# KiCad board analog_i.kicad_pcb (continued)
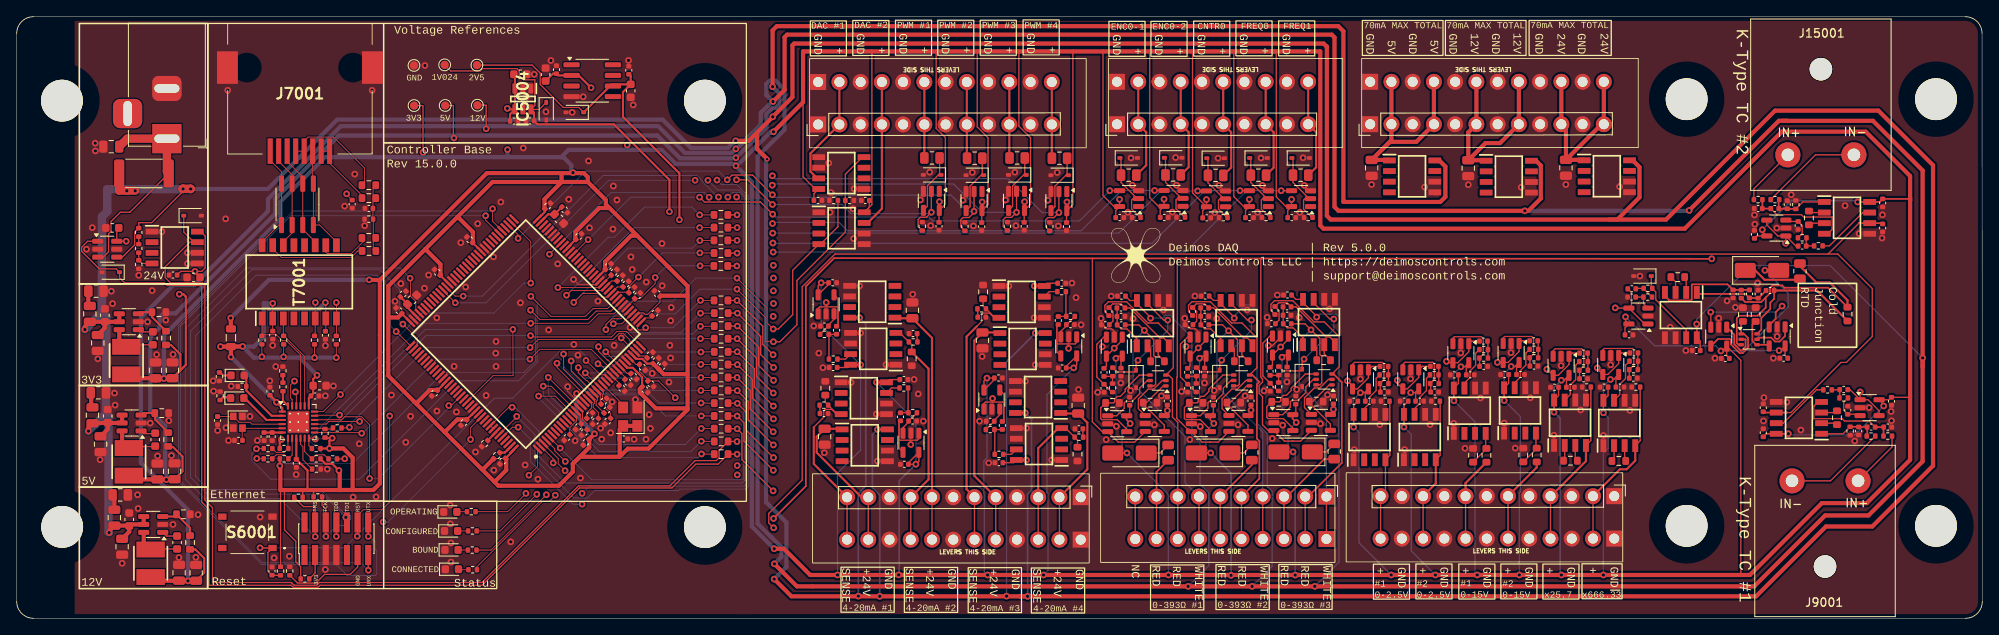
[diagram p0: board, top side]
## Routing (per net, layer and track width the routed paths; a pad name or vN(x,y) marks a point on that pad's centre or on a via; arc(x,y) is an arc through that point) (continued)
/analog_frontend/AIN14_DAC1: length 49.6
  Top w0.1: v1(90.46,34.62) 89.73,35.35 89.73,37.11 v1(86.13,40.71) ; 70.46,34.53 v1(70.45,34.54) 70.46,35.15 71.15,35.84 72.26,35.84 IC6001.41
  Top w0.15: v1(90.46,34.62) 91.07,34.62 92.79,36.33 92.79,41.64 95.92,44.77 96.12,44.77 98.21,46.86 R54001.1
  Bottom w0.1: v1(86.13,40.71) 81.22,40.71 78.46,37.95 73.26,37.95 70.45,35.14 v1(70.45,34.54)
/analog_frontend/AIN15: length 104
  Top w0.15: v1(86.12,42.16) 86.12,42.16 R6016.1 ; U45001.1 168.08,30.15 C45002.2 ; U45001.1 167.66,28.83 166.29,27.46 U45001.4 165.11,28.11 v1(165.11,28.48) ; U45001.1 167.66,29.36
  In2.Cu w0.15: v1(86.12,42.16) 86.87,42.16 87.4,41.63 87.4,40.28 88.57,39.12 88.57,38.07 89.33,37.31 89.33,37.26 v1(90.46,36.13) 90.54,36.21 93.63,36.21 93.63,40.55 94.34,41.26 158.2,41.26 165.11,34.35 v1(165.11,28.48)
/analog_frontend/AIN16: length 103
  Top w0.15: R6017.1 v1(86.15,43.7) ; C43002.2 173.96,33.17 U43001.1 173.65,31.9 172.33,30.58 U43001.4 171.14,30.58 v1(170.97,30.75)
  In2.Cu w0.15: v1(86.15,43.7) 86.45,43.7 88.09,42.06 88.09,40.59 89.23,39.45 89.23,38.93 v1(90.49,37.67) 93.21,37.67 93.22,37.68 93.22,40.5 94.24,41.52 160.2,41.52 v1(170.97,30.75)
/analog_frontend/AIN17: length 107.5
  Top w0.15: v1(86.14,45.22) 86.14,45.22 R6018.1 ; 180.93,33.2 179.97,33.2 U41001.1 179.66,31.93 178.34,30.61 U41001.4 177.08,30.61 v1(177.07,30.62)
  In2.Cu w0.15: v1(86.14,45.22) 88.67,42.69 88.67,41 v1(90.48,39.19) 92.87,39.19 92.89,39.2 92.89,40.52 94.22,41.85 165.84,41.85 v1(177.07,30.62)
/analog_frontend/AIN18: length 113
  Top w0.15: R6019.1 v1(86.15,46.75) ; C39002.2 186.02,31.73 U39001.1 185.63,30.37 184.33,29.07 183.73,29.07 182.99,29.82 182.99,29.83
  In2.Cu w0.15: v1(182.99,29.81) 170.7,42.1 94.12,42.1 92.74,40.72 v1(90.49,40.72) 89.26,41.95 89.26,42.88 87.48,44.65 87.48,45.44 86.17,46.75 v1(86.15,46.75)
/analog_frontend/AIN19: length 118.6
  Top w0.15: v1(189.01,29.96) 189.01,29.84 U37001.4 190.26,29.17 191.57,30.48 U37001.1 191.88,31.75 C37002.2 ; R6020.1 v1(86.14,48.27)
  In2.Cu w0.15: v1(189.01,29.96) 176.62,42.35 90.59,42.35 v1(90.48,42.24) 90.48,42.59 87.99,45.08 87.99,46.43 v1(86.14,48.27)
/analog_frontend/COUNTER0: length 104.2
  Top w0.1: v1(53.39,38.55) 52.43,38.55 IC6001.96
  Top w0.15: U50001.4 v1(141.23,51.14)
  In2.Cu w0.15: v1(90.4,46.09) 89.65,46.09 89.3,46.44 89.3,48.35 86.42,51.23 84.75,51.23 v1(83.92,50.41)
  Bottom w0.1: v1(83.92,50.41) 83.84,50.41 82.08,52.17 82.08,52.24 81.33,52.99 70.12,52.99 55.68,38.55 v1(53.39,38.55)
  Bottom w0.15: v1(141.23,51.14) 136.84,51.14 131.78,46.09 v1(90.4,46.09)
/analog_frontend/dac_buf1/VOUT: length 18
  Top w0.25: IC54001.7 101.76,47.31 103.46,49.01 J3006.4 J3006.4
/analog_frontend/dac_buf/VOUT: length 13.5
  Top w0.25: IC53001.7 95.74,52.64 94.91,53.46 94.91,55.63 J3006.2 J3006.2
/analog_frontend/ENCODER0_0: length 70.9
  Top w0.1: IC6001.60 66.55,43.54 v1(68.32,45.31)
  Top w0.15: v1(81.66,50.39) 82.24,49.81 88.94,49.81 v1(90.4,48.35) ; 130.72,51.17 v1(130.71,51.17) U48001.4
  Bottom w0.1: 68.34,45.3 68.32,45.28 v1(68.32,45.31) 68.35,45.31 73.43,50.39 v1(81.66,50.39)
  Bottom w0.15: v1(90.4,48.35) 90.75,48 109.09,48 109.55,47.55 127.1,47.55 v1(130.71,51.17)
/analog_frontend/ENCODER0_1: length 83.7
  Top w0.1: IC6001.64 65.11,44.95 63.71,43.56 v1(63.7,43.56) 63.7,43.55 63.73,43.58
  Top w0.15: U49001.4 v1(136.07,51.19)
  In2.Cu w0.15: v1(82.8,50.38) 83.9,51.48 86.52,51.48 89.55,48.45 89.55,48.07 v1(90.38,47.24)
  Bottom w0.1: v1(82.8,50.38) 82.25,50.94 71.08,50.94 v1(63.7,43.56)
  Bottom w0.15: v1(90.38,47.24) 90.51,47.36 98.37,47.36 99.37,46.37 127.29,46.37 132.11,51.19 v1(136.07,51.19)
/analog_frontend/FREQ0: length 143
  Top w0.1: v1(59.24,25.25) 58.84,25.25 IC6001.136 IC6001.137
  Top w0.15: U51001.4 v1(146.28,51.17)
  In2.Cu w0.15: v1(85.04,50.41) 85.61,50.98 86.32,50.98 89.05,48.25 89.05,45.87 90.02,44.9 v1(90.43,44.9)
  Bottom w0.1: 59.26,25.23 v1(59.24,25.25) 59.58,25.23 62.47,22.34 62.47,19.33 65.61,16.19 86.74,16.19 87.09,16.54 87.09,50.31 86.44,50.96 85.59,50.96 v1(85.04,50.41)
  Bottom w0.15: v1(90.43,44.9) 90.48,44.85 135.75,44.85 142.07,51.17 v1(146.28,51.17)
/analog_frontend/FREQ1: length 132.9
  Top w0.1: v1(64.99,20.37) 63.73,21.64 IC6001.5
  Top w0.15: U52001.4 v1(151.21,51.17)
  In2.Cu w0.15: v1(86.08,50.41) 88.8,47.69 88.8,45.48 v1(90.46,43.82)
  Bottom w0.1: v1(86.08,50.41) 86.89,49.59 86.89,16.63 86.85,16.58 68.78,16.58 v1(64.99,20.37)
  Bottom w0.15: v1(151.21,51.17) 147.1,51.17 139.75,43.82 v1(90.46,43.82)
/analog_frontend/K-Type TC Amp1/Signal+: length 12.5
  Top w0.15: C15002.1 210.49,48.3 213.42,48.3 213.7,48.01 217.1,48.01 217.1,46.54 216.58,46.01 IC15001.4
  Top w0.2: R15001.2 208.76,49.05 C15001.1 C15002.1
/analog_frontend/K-Type TC Amp1/Signal-: length 6.8
  Top w0.15: IC15001.1 213.59,49.82 R15003.1
  Top w0.2: 210.66,49.09 210.7,49.13 210.7,50.09 ; C15002.2 210.73,49.01 C15003.1 211.75,48.98 R15003.1
/analog_frontend/K-Type TC Amp/Signal+: length 12.5
  Top w0.15: IC9001.4 215.42,25.89 214.9,25.36 214.9,23.89 218.3,23.89 218.59,23.6 221.52,23.6 C9002.1
  Top w0.2: C9002.1 C9001.1 223.24,22.85 R9001.2
/analog_frontend/K-Type TC Amp/Signal-: length 6.8
  Top w0.15: IC9001.1 218.41,22.08 R9003.1
  Top w0.2: 221.34,22.81 221.3,22.77 221.3,21.81 ; C9002.2 221.27,22.89 C9003.1 220.25,22.92 R9003.1
/analog_frontend/PWM0: length 73.4
  Top w0.1: IC6001.97 50.98,39.21 v1(52.44,37.75)
  Top w0.15: v1(90.37,49.52) 87.42,52.46 v1(86.07,52.46) ; U55001.2 v1(109.38,48.58) 108.77,47.98 108.06,47.98 107.79,47.71 107.79,46.89 R55001.1
  In2.Cu w0.1: v1(86.07,52.46) 85.47,51.86 81.68,51.86 v1(81.13,52.41)
  Bottom w0.1: 52.47,37.73 52.44,37.7 v1(52.44,37.75) 56.13,37.75 70.8,52.41 v1(81.13,52.41)
  Bottom w0.15: v1(109.38,48.58) 109.23,48.43 99.77,48.43 98.68,49.52 v1(90.37,49.52)
/analog_frontend/PWM1: length 68.7
  Top w0.1: IC6001.75 59.95,45.88 v1(59.95,45.46)
  Top w0.15: U56001.2 v1(114.48,48.7) 114.48,48.55 113.88,47.95 113.17,47.95 112.9,47.67 112.9,46.86 R56001.1 ; v1(90.36,50.68) 88,53.04 85.54,53.04 v1(84.96,52.46)
  Bottom w0.1: 59.96,45.45 59.95,45.44 v1(59.95,45.46) 59.97,45.46 68.02,53.51 83.92,53.51 v1(84.96,52.46)
  Bottom w0.15: v1(114.48,48.7) 113.67,48.7 111.74,50.63 98.07,50.63 97.8,50.36 90.68,50.36 v1(90.36,50.68)
/analog_frontend/PWM2: length 120.4
  Top w0.1: IC6001.139 57.7,22 59.79,24.09 v1(59.79,24.16)
  Top w0.15: R57001.1 117.98,46.88 117.98,47.7 118.25,47.97 118.96,47.97 v1(119.56,48.58) U57001.2
  In2.Cu w0.15: v1(90.35,51.83) 89.14,53.04 84.34,53.04 v1(83.74,52.44)
  Bottom w0.1: v1(83.74,52.44) 84.27,51.91 86.1,51.91 87.51,50.5 87.51,15.79 87.18,15.46 79.32,15.46 79.14,15.28 69.12,15.28 68.23,14.4 66.64,14.4 61.97,19.06 61.97,21.98 v1(59.79,24.16) 59.8,24.15
  Bottom w0.15: v1(90.35,51.83) 90.5,51.97 112.03,51.97 115.42,48.58 v1(119.56,48.58)
/analog_frontend/PWM3: length 127
  Top w0.1: v1(59.96,22.86) 59.28,22.86 IC6001.140
  Top w0.15: R58001.1 123.04,46.85 123.04,47.67 123.31,47.94 124.02,47.94 v1(124.63,48.55) U58001.2
  In2.Cu w0.1: v1(67.61,13.65) v1(67.61,14.95)
  In2.Cu w0.15: v1(82.65,52.41) 83.53,53.29 90.02,53.29 v1(90.36,52.95)
  Bottom w0.1: v1(67.61,13.65) 66.54,13.65 61.41,18.78 61.41,21.45 60.01,22.85 59.99,22.85 v1(59.96,22.86) 59.97,22.85 59.98,22.85 ; v1(67.61,14.95) 68.48,15.81 87.06,15.81 87.31,16.06 87.31,50.37 86.44,51.25 83.82,51.25 v1(82.65,52.41)
  Bottom w0.15: v1(124.63,48.55) 122.64,48.55 118.58,52.61 90.7,52.61 v1(90.36,52.95)
/analog_frontend/pwm_out_buf1/VOUT: length 9.1
  Top w0.25: R56002.2 113.62,55.08 J3006.8
/analog_frontend/pwm_out_buf2/VOUT: length 9.1
  Top w0.25: J3006.10 J3006.10 118.7,55.1 R57002.2
/analog_frontend/pwm_out_buf3/VOUT: length 9.1
  Top w0.25: R58002.2 123.78,55.06 J3006.12 J3006.12
/analog_frontend/pwm_out_buf/VOUT: length 9.1
  Top w0.25: J3006.6 R55002.2
/analog_frontend/RTD Amp1/R+: length 11
  Top w0.15: J3002.6 J3002.6
  Top w0.2: J3002.6 147.7,18.35 R13003.2
/analog_frontend/RTD Amp1/R-: length 37.8
  Top w0.15: U13001.3 148.31,29.99 148.31,33.54 146.51,35.34 145.28,35.34 142.74,37.88 140.55,37.88 140.13,37.46 140.13,36.71 R13004.2 ; J3002.5 J3002.5
  Top w0.2: J3002.5 148.6,16.71 148.6,21.21 148.3,21.51 148.3,27.98 148.6,28.27 147.77,29.11 U13001.3
/analog_frontend/RTD Amp1/rtd_amp_inner/Signal+: length 12
  Top w0.15: C13001.2 141.1,35.57 141.1,36.7 R13004.1 141.06,37.63 142.05,37.63 C13002.1 143.12,37.15 146.72,33.55 147.15,33.55 147.78,32.92 IC13001.4
/analog_frontend/RTD Amp1/rtd_amp_inner/Signal-: length 5.9
  Top w0.15: C13002.2 141.6,37.12 R13005.1 142.09,34.63 142.79,34.63 143.97,33.45 IC13001.1
/analog_frontend/RTD Amp1/rtd_amp_inner/Vout: length 14.3
  Top w0.15: v1(144.1,30.89) 143.87,30.66 D23001.1 143.65,29.49 141.56,29.49 141.07,29.97 ; IC13001.7 145.24,37.63 147.18,35.69 v1(147.65,35.69)
  Bottom w0.15: v1(147.65,35.69) 147.65,34.44 v1(144.1,30.89)
/analog_frontend/RTD Amp1/W-: length 38.1
  Top w0.15: J3002.4 J3002.4 ; U13001.6 146,27.81 146.2,28.02 146.2,31.22 145.98,31.44 145.98,33.33 v1(144.91,34.4) 144.2,35.12 R13005.2
  Bottom w0.15: J3002.4 149,22.27 143.52,27.75 143.52,33.01 v1(144.91,34.4)
/analog_frontend/RTD Amp2/R+: length 13
  Top w0.15: J3002.3 J3002.3
  Top w0.2: R17003.2 156.37,19.05 151.88,14.57 J3002.3
/analog_frontend/RTD Amp2/R-: length 38.7
  Top w0.15: J3002.2 J3002.2 ; R17004.2 149.99,36.83 149.99,37.58 150.41,38 152.6,38 155.14,35.46 156.37,35.46 158.17,33.67 158.17,30.11 U17001.3
  Top w0.2: U17001.3 157.47,29.23 158.46,28.25 158.46,18.59 154.43,14.57 J3002.2
/analog_frontend/RTD Amp2/rtd_amp_inner/Signal+: length 12
  Top w0.15: C17001.2 150.96,35.69 150.96,36.82 R17004.1 150.92,37.75 151.91,37.75 C17002.1 152.98,37.27 156.57,33.67 157,33.67 157.63,33.04 IC17001.4
/analog_frontend/RTD Amp2/rtd_amp_inner/Signal-: length 5.9
  Top w0.15: C17002.2 151.46,37.24 R17005.1 151.94,34.76 152.64,34.76 153.82,33.57 IC17001.1
/analog_frontend/RTD Amp2/rtd_amp_inner/Vout: length 14.3
  Top w0.15: v1(153.95,31.01) 153.72,30.78 D26001.1 153.51,29.61 151.41,29.61 150.93,30.09 ; 155.09,38.16 155.09,37.75 157.03,35.81 v1(157.51,35.81)
  Bottom w0.15: v1(153.95,31.01) 157.51,34.56 v1(157.51,35.81)
/analog_frontend/RTD Amp2/W-: length 37.3
  Top w0.15: J3002.1 J3002.1 ; U17001.6 155.85,27.93 156.06,28.14 156.06,31.34 155.84,31.56 155.84,33.45 v1(154.78,34.51) 154.05,35.24 R17005.2
  Bottom w0.15: v1(154.78,34.51) 153.38,33.11 153.38,27.88 156.62,24.63 J3002.1
/analog_frontend/RTD Amp/R+: length 10
  Top w0.15: J3002.9 J3002.9
  Top w0.2: R5003.2 136.3,17.52 J3002.9
/analog_frontend/RTD Amp/R-: length 36.8
  Top w0.15: J3002.8 J3002.8 138.84,23.45 138.21,24.08 138.21,28.64 137.75,29.1 U5001.3 138.3,29.98 138.3,33.53 136.51,35.33 135.27,35.33 132.73,37.87 130.55,37.87 130.12,37.45 130.12,36.7 R5004.2
/analog_frontend/RTD Amp/rtd_amp_inner/Signal+: length 12
  Top w0.15: IC5001.4 137.77,32.91 137.14,33.54 136.71,33.54 133.11,37.14 C5002.1 132.04,37.62 131.06,37.62 R5004.1 131.09,36.69 131.09,35.56 C5001.2
/analog_frontend/RTD Amp/rtd_amp_inner/Signal-: length 5.9
  Top w0.15: C5002.2 131.6,37.11 R5005.1 132.08,34.62 132.78,34.62 133.96,33.44 IC5001.1
/analog_frontend/RTD Amp/rtd_amp_inner/Vout: length 14.3
  Top w0.15: v1(134.09,30.88) 133.86,30.65 D9001.1 133.64,29.48 131.55,29.48 131.07,29.96 ; IC5001.7 135.23,37.62 137.17,35.68 v1(137.64,35.68)
  Bottom w0.15: v1(137.64,35.68) 137.64,34.43 v1(134.09,30.88)
/analog_frontend/RTD Amp/W-: length 39.1
  Top w0.15: U5001.6 135.99,27.8 136.2,28 136.2,31.21 135.98,31.43 135.98,33.32 v1(134.85,34.45) 134.19,35.11 R5005.2 ; J3002.7 J3002.7
  Bottom w0.15: v1(134.85,34.45) 133.51,33.11 133.51,27.97 139.71,21.77 139.71,16.24 J3002.7
/analog_frontend/rtd_amp_inner1/250uA_SINK_1: length 16.6
  Top w0.2: 210.16,39.53 210.16,38.23 209.7,37.77 209.7,37.01 208.62,35.94 208.62,34.54 U4001.6
  Top w0.25: R4005.2 215.29,39.22 R3001.1
/analog_frontend/rtd_amp_inner1/250uA_SINK_2: length 32.5
  Top w0.2: R4004.2 206.69,37.85 207.52,37.85 207.54,37.83 208.6,37.83 209.16,38.38 ; U4001.3 205.89,32.73 205.69,32.93 205.69,35.91 205.99,36.21 208.18,36.21 209.16,37.18 209.16,38.38 ; 209.16,38.38 209.68,38.91 209.68,39.56 209.95,39.83 211.12,39.83 211.39,39.56 216.6,39.56 R3001.2
  Top w0.25: R3001.2 218.94,38.06 216.8,40.19 215.2,40.19 213.25,42.15 R4003.2
/analog_frontend/rtd_amp_inner1/Signal+: length 12.8
  Top w0.2: C4002.1 C4001.2 204.58,39.96 200.36,39.96 200.31,39.9 200.31,38.15 200.19,38.03 197.65,38.03 197.1,38.58 IC4001.4
/analog_frontend/rtd_amp_inner1/Signal-: length 8.9
  Top w0.2: IC4001.1 201.1,38.81 205.66,38.81 205.68,38.79 206.75,38.79 C4002.2 208.23,38.33 C4003.1 208.29,38.31 R4005.1
/analog_frontend/rtd_amp_inner1/Vout: length 9.1
  Top w0.15: IC4001.7 199.64,34.48 196,38.12 196,39.06 R15004.2 195.47,39.59 D4002.1
/base/AIN0: length 125.2
  Top w0.15: v1(86.14,19.63) 86.14,19.64 R6001.1 83.88,18.45 81.21,18.45 78.36,15.6 67.29,15.6 55.72,4.03 55.72,3.95 36.27,3.95 36.02,3.7 33.07,3.7 32.81,3.95 23.01,3.95 22.99,3.98 22.99,13.04 22.11,13.92 22.11,39.71 22,39.82 17.97,39.82 17.66,40.13 12.91,40.13 12.29,40.75 D8001.1 11.89,41.81 9.87,41.81 7.76,43.92 7.76,44.4 8.48,45.12 U8001.1
/base/AIN1: length 122
  Top w0.15: v1(86.13,21.15) 86.12,21.16 R6002.1 83.99,20.09 83.99,19.2 83.66,18.87 81.13,18.87 78.1,15.85 67.19,15.85 55.62,4.28 36.19,4.28 35.86,3.95 33.17,3.95 33.17,3.95 32.84,4.28 23.42,4.28 23.42,13.24 22.49,14.16 22.49,39.85 22.2,40.14 18.38,40.14 17.76,40.77 17.76,42.07 20.69,45 IC8001.7 21.19,45 19.97,46.22 D8002.1
/base/Micro/AIN0_Filt: length 32.4
  Top w0.1: 62.42,26.58 62.41,26.58 v1(62.4,26.59) 62.43,26.58 64.4,26.58 IC6001.13 66.96,24.03 66.96,23.63 66.14,22.82 C6001.1 ; R6001.2 v1(81.89,19.66) 81.91,19.64
  Bottom w0.1: v1(62.4,26.59) 62.4,26.39 66.77,22.02 66.78,22.02 69.58,19.22 81.45,19.22 v1(81.89,19.66)
/base/Micro/AIN1_Filt: length 31.8
  Top w0.1: R6002.2 v1(81.86,21.19) 81.89,21.16 ; 62.97,27.77 v1(62.96,27.78) 63.92,27.77 IC6001.14 67.45,24.25 67.45,23.34 C6002.1
  Bottom w0.1: v1(81.86,21.19) 80.65,19.97 69.65,19.97 62.96,26.66 v1(62.96,27.78)
/base/Micro/AIN2_Filt: length 33.4
  Top w0.1: R6003.2 v1(81.86,22.71) 81.86,22.69 ; 63.58,28.82 63.56,28.84 v1(63.56,28.83) 63.57,28.83 67.23,25.18 IC6001.15 67.66,24.74 67.66,24.11 67.66,24.1 67.66,23.83 68.21,23.27 C6003.1
  Bottom w0.1: v1(81.86,22.71) 79.95,20.8 69.59,20.8 63.56,26.82 v1(63.56,28.83)
/base/Micro/AIN3_Filt: length 30
  Top w0.1: v1(81.86,24.21) 81.87,24.21 R6007.2 ; 64.62,30.5 v1(64.6,30.52) 64.62,30 67.65,26.97 67.65,26.86 68.28,26.23 IC6001.18 68.72,25.8 68.72,25.15 68.18,24.6 C6007.1
  Bottom w0.1: v1(81.86,24.21) 77.6,24.21 75.08,26.73 68.39,26.73 v1(64.6,30.52)
/base/Micro/AIN4_Filt: length 30.9
  Top w0.1: C6008.1 69.55,24.62 68.93,25.24 68.93,25.61 69.08,25.75 69.08,26.15 IC6001.19 65.4,29.82 v1(65.39,31.62) 65.4,31.61 ; 81.86,25.74 v1(81.84,25.76) R6008.2
  Bottom w0.1: v1(65.39,31.62) 65.39,30.12 68.57,26.94 75.64,26.94 76.82,25.76 v1(81.84,25.76)
/base/Micro/AIN5_Filt: length 27.3
  Top w0.1: 66.31,30.79 v1(66.3,30.8) 66.31,29.62 IC6001.20 69.43,26.5 69.43,26.1 69.29,25.96 69.29,25.52 C6004.1 ; R6004.2 v1(81.81,27.26) 81.84,27.26
  Bottom w0.1: v1(81.81,27.26) 76.04,27.26 75.99,27.31 68.5,27.31 66.3,29.51 v1(66.3,30.8)
/base/Micro/AIN6_Filt: length 22.7
  Top w0.1: 81.84,28.81 v1(81.81,28.81) R6005.2 ; C6005.1 69.78,25.72 69.78,26.86 IC6001.21 69.35,27.29 68.18,28.46 68.1,28.46 67.15,29.41 v1(67.15,30)
  Bottom w0.1: v1(81.81,28.81) 76.28,28.81 76.22,28.75 67.78,28.75 67.15,29.38 v1(67.15,30)
/base/Micro/AIN7_Filt: length 22.7
  Top w0.1: 81.81,30.36 v1(81.81,30.39) R6006.2 ; C6006.1 71.01,24.53 70.39,25.15 70.39,25.85 70.03,26.21 70.03,26.71 70.14,26.81 70.14,27.21 IC6001.22 69.7,27.65 67.99,29.35 v1(67.99,29.36) 67.98,29.36 68,29.34
  Bottom w0.1: 81.81,30.38 v1(81.81,30.39) 76.3,30.39 75.28,29.36 v1(67.99,29.36) 67.99,29.31
/base/Micro/AIN8_Filt: length 18.6
  Top w0.1: R6009.2 v1(81.81,31.86) 81.81,31.89 ; C6009.1 72.02,28.15 IC6001.26 71.11,29.06 69.71,30.45 v1(69.5,30.45) 69.51,30.45
  Bottom w0.1: v1(81.81,31.86) 73.48,31.86 73.07,31.46 72.62,31.46 71.28,30.12 69.83,30.12 v1(69.5,30.45)
/base/Micro/AIN9_Filt: length 21.4
  Top w0.1: 81.79,33.46 v1(81.76,33.46) 81.76,33.49 81.79,33.46 ; 81.79,33.46 81.8,33.45 R6010.2 ; C6010.1 72.74,28.85 IC6001.28 70.7,30.89 70.7,30.9 70.62,30.9 69.57,31.95 v1(69.56,32.5) 69.57,32.49
  Bottom w0.1: 69.56,31.96 v1(69.56,32.5) 69.56,31.97 70.21,31.33 71.96,31.33 74.09,33.46 v1(81.76,33.46)
/base/Micro/AIN10_Filt: length 18.4
  Top w0.1: 70.43,31.87 72.18,30.13 IC6001.29 73.02,29.28 C6011.1 ; 70.43,31.87 v1(70.43,31.88) 70.42,31.88 70.43,31.87 ; R6011.2 v1(81.76,34.94) 81.76,34.96
  Bottom w0.1: v1(81.76,34.94) 80.85,34.02 74.37,34.02 72.23,31.88 v1(70.43,31.88)
/base/Micro/AIN11_Filt: length 16.5
  Top w0.1: C6012.1 75.17,31.39 74.44,31.39 IC6001.34 73.94,31.89 v1(72.28,33.54) 72.29,33.53 ; 81.79,36.51 v1(81.76,36.51) R6012.2
  Bottom w0.1: v1(72.28,33.54) 72.96,34.22 79.47,34.22 v1(81.76,36.51)
/base/Micro/AIN12_Filt: length 13.4
  Top w0.1: C6013.1 75.75,35.94 75.19,35.94 IC6001.37 74.22,34.97 74.22,34.66 74.38,34.5 74.97,34.5 75.21,34.74 v1(75.21,34.77) 75.24,34.77 75.22,34.75 ; 81.79,38.04 v1(81.76,38.04) R6013.2
  Bottom w0.1: v1(75.21,34.77) 78.5,34.77 v1(81.76,38.04)
/base/Micro/AIN15_Filt: length 13
  Top w0.1: R6016.2 v1(81.72,42.17) 81.73,42.16 ; v1(76.35,40.78) 76.35,40.06 74.55,38.26 C6016.1 73.9,38.19 72.89,37.17 IC6001.42
  Bottom w0.1: v1(81.72,42.17) 77.74,42.17 v1(76.35,40.78)
/base/Micro/AIN16_Filt: length 14.6
  Top w0.1: IC6001.46 71.91,39.02 73.14,39.02 C6017.1 73.2,39.7 74.33,40.83 v1(74.34,40.83) ; R6017.2 v1(81.69,43.72) 81.69,43.7
  Bottom w0.1: v1(81.69,43.72) 77.24,43.72 v1(74.34,40.83)
/base/Micro/AIN17_Filt: length 26.9
  Top w0.1: C6018.1 71.83,39.65 IC6001.47 70.61,38.43 69.95,38.43 69.49,38.88 67.69,38.88 v1(66.61,37.8) 66.61,37.78 66.62,37.79 ; 81.72,45.22 v1(81.69,45.2) R6018.2
  Bottom w0.1: v1(81.69,45.2) 80.79,44.29 73.11,44.29 v1(66.61,37.8)
/base/Micro/AIN18_Filt: length 27.8
  Top w0.1: R6019.2 v1(81.67,46.75) 81.69,46.75 ; 65.75,38.65 65.74,38.64 v1(65.74,38.66) 65.76,38.66 66.32,39.22 69.98,39.22 IC6001.49 71.12,40.36 C6019.1
  Bottom w0.1: v1(65.74,38.66) 73.83,46.75 v1(81.67,46.75)
/base/Micro/AIN19_Filt: length 30.2
  Top w0.1: 64.73,39.57 v1(64.71,39.58) 66.85,39.58 69.63,39.58 IC6001.50 70.06,40.02 C6020.1 ; 81.65,48.27 81.64,48.27 81.62,48.27 81.65,48.27 R6020.2
  Bottom w0.1: 70.73,45.59 70.73,45.6 ; 70.73,45.59 71.47,45.59 75.09,49.2 80.74,49.2 v1(81.67,48.27) ; 70.73,45.59 v1(64.71,39.58)
/base/Micro/DEBUG_RESET: length 86.6
  Top w0.1: IC6001.25 70.33,29.14 69.79,29.14 68.08,30.85 v1(68.07,30.85) 68.07,30.86 68.09,30.84 ; J6001.12 40.76,12.3 41.44,12.98 43.64,12.98 44.59,13.93 v1(44.6,24.21) 44.59,24.13 ; 29.12,8.41 29.1,8.43 v1(29.09,8.43) 29.09,8.44 29.11,8.42 ; 40.8,12.4 40.93,12.28 ; U7001.15 37,23.23 37.31,23.54 v1(41.01,23.56) 41.03,23.54
  Top w0.15: v1(40.72,9.82) 40.76,9.86 J6001.12 ; R6028.2 30.55,5.14 C6027.2 30.04,5.65 30.04,7.87 S6001.A1 29.11,8.41 v1(29.09,8.43)
  In1.Cu w0.1: v1(41.01,23.56) 41.66,24.21 v1(44.6,24.21)
  Bottom w0.1: v1(29.09,8.43) 39.2,8.43 40.59,9.82 v1(40.72,9.82) 40.72,9.95 57.11,26.34 59.32,26.34 65.17,32.19 67.21,32.19 68.07,31.32 v1(68.07,30.85)
/base/Micro/DEBUG_TCK/SWCLK: length 81.3
  Top w0.1: J6001.6 36.95,9.82 v1(36.97,9.8) ; 45.39,34.3 45.37,34.32 v1(45.37,34.31) 45.38,34.31 IC6001.109
  Top w0.15: R6030.1 36.52,13.53 36.95,13.09 J6001.6
  Bottom w0.1: v1(45.37,34.31) 44.67,35.01 44.67,39.42 43.04,41.06 28.62,41.06 21.36,33.8 21.36,17 22.95,15.41 36.32,15.41 39.07,12.66 39.57,12.66 39.92,12.3 39.92,11.85 39.19,11.12 38.3,11.12 v1(36.97,9.8)
/base/Micro/DEBUG_TDI: length 75.3
  Top w0.1: IC6001.110 47.88,32.68 47.88,33.5 v1(46.18,35.2) ; 39.37,12.08 v1(39.35,12.08) 39.35,12.1
  Bottom w0.1: v1(46.18,35.2) 46.13,35.2 45.79,35.54 45.79,39.34 43.42,41.71 28.12,41.71 20.78,34.37 20.78,16.87 22.79,14.86 36.57,14.86 v1(39.35,12.08)
/base/Micro/DEBUG_TDO/SWO: length 25.8
  Top w0.1: v1(38.22,9.8) J6001.8 ; 54.28,21.39 v1(54.27,21.4) 54.28,22.81 IC6001.133
  In2.Cu w0.1: v1(38.22,9.8) 39.55,11.12 40.4,11.12 40.8,11.52 v1(43.81,11.52)
  Bottom w0.1: v1(54.27,21.4) 44.37,11.5 v1(43.81,11.52) 43.83,11.5
/base/Micro/DEBUG_TMS/SWDIO: length 79.5
  Top w0.1: J6001.4 35.68,9.94 35.7,9.92 v1(35.7,9.77) ; 35.43,12.19 35.43,11.53 35.83,11.12 35.84,11.12 35.84,11.11 ; IC6001.105 47.72,36.9 47.72,37.91 47.08,38.55 47.08,40.65 v1(47.04,40.69) 47.06,40.67
  Top w0.15: R6029.1 34.28,13.37 35.6,13.37 35.68,13.29 J6001.4
  Top w0.25: 35.68,9.79 v1(35.7,9.77)
  Bottom w0.1: v1(35.7,9.77) 34.51,10.96 34.51,11.27 31.48,14.3 22.49,14.3 20.15,16.64 20.15,34.65 27.42,41.92 45.81,41.92 v1(47.04,40.69)
/base/Micro/Ethernet/RX+: length 17.4
  Top w0.1: v1(33.22,28.39) 32.76,27.93 32.76,26.35 32.94,26.17 U7001.23 ; v1(35.72,37.79) 35.69,37.76 T7001.6 35.69,34.19 35.62,34.11
  In2.Cu w0.1: v1(33.22,28.39) 33.22,35.29 v1(35.72,37.79)
/base/Micro/Ethernet/RX-: length 18.1
  Top w0.1: v1(33.32,27.09) 33.44,26.97 U7001.22 ; v1(38.22,37.79) 38.23,37.77 T7001.8 38.23,34.13 38.22,34.11
  In2.Cu w0.1: v1(38.22,37.79) 33.78,33.35 33.78,27.55 v1(33.32,27.09)
/base/Micro/Ethernet/TX+: length 13.9
  Top w0.1: U7001.21 33.94,31.52 32.25,33.21 31.76,33.21 31.05,33.93 29.45,33.93 R7018.1 29.34,33.82 T7001.1
/base/Micro/Ethernet/TX-: length 11.5
  Top w0.1: U7001.20 34.44,31.32 31.96,33.8 R7016.1 31.88,33.83 T7001.3
/base/Micro/HSECLK: length 3.8
  Top w0.1: 70.1,28 IC6001.23 72.52,25.53 Y6001.3
/base/Micro/LED0: length 22
  Top w0.1: 65.62,18.76 65.61,18.77 v1(65.6,18.77) 65.6,18.78 64.33,20.05 64.33,20.29 IC6001.4 ; R6023.2 55.04,6.17 62.87,14.01 63.71,14.01 64.36,14.66
  In1.Cu w0.1: v1(65.6,18.77) 66.29,18.08 66.29,16.79 64.36,14.66 64.24,14.74
  vias: v1(64.41,14.73)
/base/Micro/LED1: length 19.4
  Top w0.1: IC6001.3 63.42,20.49 63.42,20.45 64.75,19.12 64.75,18.48 v1(65.57,17.66) 65.58,17.65 ; v1(63.33,14.78) 56.72,8.17 R6025.2
  In1.Cu w0.1: v1(65.57,17.66) 65.57,17.1 63.33,14.86 v1(63.33,14.78) 63.25,14.78 63.27,14.8